# Altium PCB DRS4-PCB.PcbDoc (part 9 of 15) (continued)
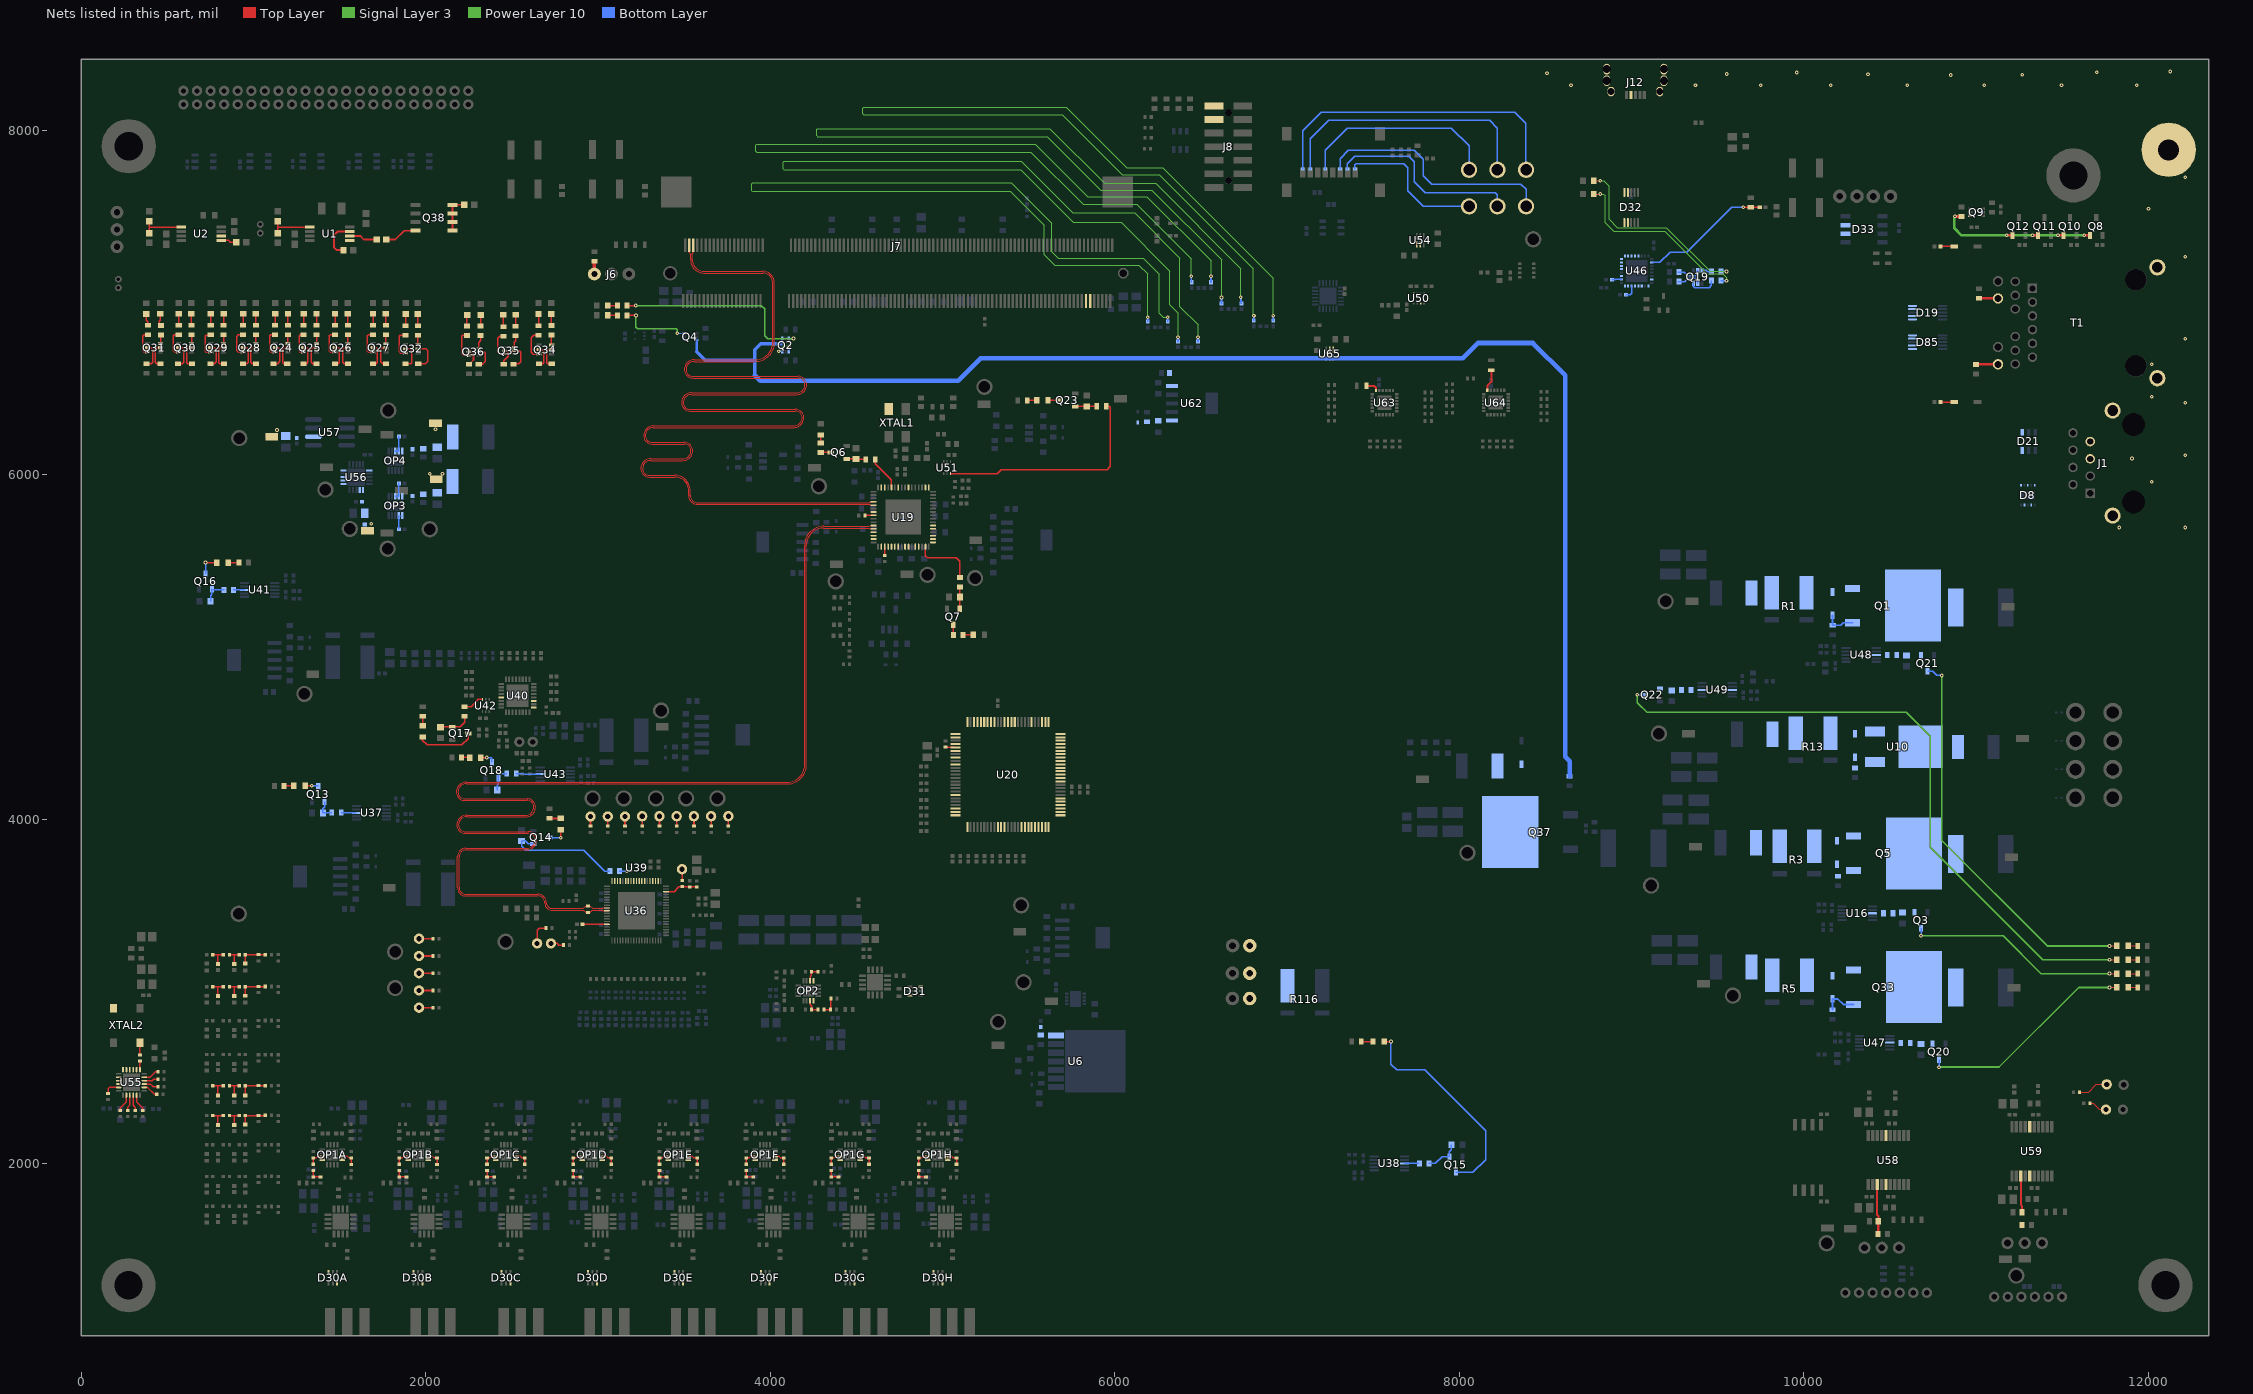
[diagram p19: the nets of this part, all layers, seen from the top]
## Nets (pads, with @x,y where several pads share a name; then routed paths per layer and width w, separated by ;. In a path a pad name is that pad's centre, name@x,y a point inside that pad or via, vN(x,y) a via of type N, cw(c..) or ccw(c..) an arc to the next point about the centre after c; other vN are vias at no path point) (continued)
NetQ24_3: Q24.3 R273.1 | length 49.2
  Top Layer w7.87: Q24.3@1199.41,6762.68 R273.1@1199.41,6811.89
NetQ24_5: Q24.5 R281.1 | length 156.9
  Top Layer w7.87: R281.1@1111.44,6644.57 R281.1@1115.32,6644.57 1138.86,6644.57 1151.66,6657.37 1151.66,6729.18 1143.75,6737.09 Q24.5@1124.62,6737.09 Q24.5@1115.33,6737.09
NetQ24_6: Q24.6 R274.1 | length 156.4
  Top Layer w7.87: Q24.6@1124.62,6711.5 1123.05,6709.92 1102.51,6709.92 1093.03,6719.4 1093.03,6805.33 1099.59,6811.89 R274.1@1124.61,6811.89
NetQ25_2: Q25.2 R286.2 | length 123.6
  Top Layer w7.87: Q25.2@1353.62,6737.09 1343.53,6737.09 1333.53,6727.08 1333.53,6653.64 1342.6,6644.57 R286.2@1355.67,6644.57
NetQ25_3: Q25.3 R275.1 | length 49.2
  Top Layer w7.87: Q25.3@1364.96,6762.68 R275.1@1364.96,6811.89
NetQ25_5: Q25.5 R282.1 | length 157.4
  Top Layer w7.87: R282.1@1276.99,6644.57 R282.1@1289.65,6644.57 1308.53,6644.57 1315.59,6651.63 1315.59,6729.75 1308.26,6737.09 Q25.5@1290.17,6737.09 Q25.5@1280.88,6737.09
NetQ25_6: Q25.6 R276.1 | length 148
  Top Layer w7.87: Q25.6@1290.17,6711.5 1268.69,6711.5 1263.4,6716.79 1263.4,6807.14 1268.14,6811.89 R276.1@1290.16,6811.89
NetQ26_2: Q26.2 R287.2 | length 123.4
  Top Layer w7.87: Q26.2@1535.94,6737.09 1525.55,6737.09 1516.25,6727.79 1516.25,6653.32 1525.01,6644.57 R287.2@1538,6644.57
NetQ26_3: Q26.3 R277.1 | length 49.2
  Top Layer w7.87: Q26.3@1547.28,6762.68 R277.1@1547.28,6811.89
NetQ26_5: Q26.5 R283.1 | length 157.4
  Top Layer w7.87: R283.1@1459.31,6644.57 R283.1@1472.68,6644.57 1490.85,6644.57 1497.92,6651.63 1497.92,6729.75 1490.58,6737.09 Q26.5@1472.5,6737.09 Q26.5@1463.21,6737.09
NetQ26_6: Q26.6 R278.1 | length 157.1
  Top Layer w7.87: Q26.6@1472.5,6711.5 1447.15,6711.5 1440.34,6718.31 1440.34,6805.67 1446.56,6811.89 R278.1@1472.48,6811.89
NetQ27_2: Q27.2 R288.2 | length 120.9
  Top Layer w7.87: Q27.2@1756.49,6737.09 1746.94,6737.09 1737.23,6727.38 1737.23,6655.61 1748.28,6644.57 R288.2@1758.54,6644.57
NetQ27_3: Q27.3 R279.1 | length 49.2
  Top Layer w7.87: Q27.3@1767.83,6762.68 R279.1@1767.83,6811.9
NetQ27_5: Q27.5 R284.1 | length 157.4
  Top Layer w7.87: R284.1@1679.86,6644.57 R284.1@1693.67,6644.57 1711.4,6644.57 1718.46,6651.63 1718.46,6729.75 1711.13,6737.09 Q27.5@1693.04,6737.09 Q27.5@1683.75,6737.09
NetQ27_6: Q27.6 R280.1 | length 157.1
  Top Layer w7.87: Q27.6@1693.05,6711.51 1667.7,6711.51 1660.89,6718.32 1660.89,6805.68 1667.11,6811.9 R280.1@1693.03,6811.9
NetQ28_2: Q28.2 R301.2 | length 145.4
  Top Layer w7.87: Q28.2@1013.4,6737.09 990.89,6737.09 983.86,6730.06 983.86,6651.59 990.89,6644.57 R301.2@1013.39,6644.57 R301.2@1015.45,6644.57
NetQ28_3: Q28.3 R289.1 | length 49.2
  Top Layer w7.87: Q28.3@1013.39,6762.68 R289.1@1013.39,6811.89
NetQ28_5: Q28.5 R297.1 | length 148.4
  Top Layer w7.87: R297.1@934.7,6644.57 R297.1@938.58,6644.57 959.85,6644.57 968.99,6653.71 968.99,6731.16 963.06,6737.09 Q28.5@938.59,6737.09
NetQ28_6: Q28.6 R290.1 | length 162.7
  Top Layer w7.87: Q28.6@938.58,6711.5 912.77,6711.5 900.82,6723.44 900.82,6801.22 911.49,6811.89 R290.1@938.58,6811.89
NetQ29_2: Q29.2 R302.2 | length 145.2
  Top Layer w7.87: Q29.2@825.84,6737.09 803.34,6737.09 796.55,6730.3 796.55,6651.34 803.33,6644.57 R302.2@827.9,6644.57
NetQ29_3: Q29.3 R291.1 | length 49.2
  Top Layer w7.87: Q29.3@825.83,6762.68 R291.1@825.83,6811.89
NetQ29_5: Q29.5 R298.1 | length 140.3
  Top Layer w7.87: R298.1@750.52,6644.57 771.78,6644.57 781.99,6654.78 781.99,6728.14 773.04,6737.09 Q29.5@754.42,6737.09
NetQ29_6: Q29.6 R292.1 | length 157.5
  Top Layer w7.87: R292.1@751.02,6811.89 749.99,6810.85 724.56,6810.85 718.18,6804.47 718.18,6718.81 725.49,6711.5 Q29.6@751.04,6711.5
NetQ30_2: Q30.2 R303.2 | length 145
  Top Layer w7.87: Q30.2@639.66,6737.09 617.15,6737.09 610.64,6730.58 610.64,6651.07 617.15,6644.57 R303.2@641.71,6644.57
NetQ30_3: Q30.3 R293.1 | length 49.3
  Top Layer w7.87: Q30.3@639.67,6762.68 639.67,6776.93 639.77,6777.03 R293.1@639.77,6811.89
NetQ30_5: Q30.5 R299.1 | length 148.3
  Top Layer w7.87: R299.1@560.96,6644.57 586.11,6644.57 595.14,6653.6 595.14,6731.27 589.32,6737.09 Q30.5@564.85,6737.09
NetQ30_6: Q30.6 R294.1 | length 151.4
  Top Layer w7.87: Q30.6@564.85,6711.5 545.41,6711.5 534.44,6722.47 534.44,6805.9 540.43,6811.89 R294.1@564.97,6811.89
NetQ31_2: Q31.2 R304.2 | length 145.3
  Top Layer w7.87: Q31.2@459.41,6737.09 437.26,6737.09 428.25,6728.09 428.25,6652.67 436.36,6644.56 R304.2@459.86,6644.57
NetQ31_3: Q31.3 R295.1 | length 49.7
  Top Layer w7.87: Q31.3@459.41,6762.68 459.41,6809.21 R295.1@461.65,6811.46
NetQ31_5: Q31.5 R300.1 | length 145.4
  Top Layer w7.87: R300.1@378.64,6644.57 404.79,6644.56 413.33,6653.1 413.33,6727.61 403.84,6737.09 Q31.5@384.61,6737.09
NetQ31_6: Q31.6 R296.1 | length 149.3
  Top Layer w7.87: Q31.6@384.61,6711.5 365.94,6711.5 355.66,6721.79 355.66,6803.72 363.84,6811.91 R296.1@386.45,6811.91
NetQ32_2: Q32.2 R314.2 | length 183.3
  Top Layer w9.8: R314.2@1955.59,6644.57 1997.84,6644.57 2010.67,6657.4 2010.67,6721.22 2001.02,6730.87 Q32.2@1955.59,6730.87
NetQ32_3: Q32.3 R305.1 | length 53.6
  Top Layer w7.87: R305.1@1953.46,6809.23 1953.46,6758.58 Q32.3@1955.58,6756.46
NetQ32_5: Q32.5 R311.1 | length 150.6
  Top Layer w7.8: R311.1@1880.79,6644.57 1912.27,6644.57 1916.71,6649.01 1916.71,6722.38 1908.22,6730.87 Q32.5@1880.78,6730.87
NetQ32_6: Q32.6 R306.1 | length 167.1
  Top Layer w7.87: Q32.6@1880.79,6705.28 1879.75,6706.32 1855.12,6706.32 1844.83,6716.6 1844.83,6802.77 1851.3,6809.23 R306.1@1882.44,6809.23
NetQ34_2: Q34.2 R316.2 | length 131.4
  Top Layer w7.87: R316.2@2730.47,6644.57 2706.02,6644.57 2701.36,6649.23 2701.36,6716.34 2711.27,6726.26 Q34.2@2730.46,6726.26
NetQ34_3: Q34.3 R309.1 | length 60.2
  Top Layer w7.87: R309.1@2728.82,6811.41 2728.82,6753.48 Q34.3@2730.46,6751.85
NetQ34_5: Q34.5 R313.1 | length 131.5
  Top Layer w7.87: R313.1@2655.67,6644.57 2678.84,6644.57 2685.31,6651.04 2685.31,6716.59 2675.65,6726.26 Q34.5@2655.65,6726.26
NetQ34_6: Q34.6 R310.1 | length 178.9
  Top Layer w7.87: R310.1@2653.82,6808.94 2626,6808.94 2612.75,6795.69 2612.75,6710.2 2622.28,6700.66 Q34.6@2655.67,6700.66
NetQ35_2: Q35.2 R319.1 | length 145.9
  Top Layer w7.87: R319.1@2507.48,6644.63 2539.42,6644.63 2550.57,6655.78 2550.57,6711.98 2542.02,6720.53 Q35.2@2512.13,6720.53
NetQ35_3: Q35.3 R322.2 | length 70.7
  Top Layer w7.87: Q35.3@2512.13,6740.21 2512.13,6767.79 2521,6776.66 R322.2@2521,6807.23
NetQ35_5: Q35.5 R317.2 | length 106.9
  Top Layer w7.87: R317.2@2452.2,6644.93 2452.2,6661.57 2479.58,6688.95 2479.58,6712.7 2471.75,6720.53 Q35.5@2455.05,6720.53
NetQ35_6: Q35.6 R321.2 | length 160.9
  Top Layer w7.87: R321.2@2449.98,6803.99 2428.29,6803.99 2416.39,6792.09 2416.39,6713.67 2429.21,6700.84 Q35.6@2455.05,6700.84
NetQ36_2: Q36.2 R320.1 | length 107.5
  Top Layer w9.84: R320.1@2249.63,6639.25 2276.2,6665.81 2276.2,6705.88 2268.24,6713.85 Q36.2@2249.57,6713.85
NetQ36_3: Q36.3 R324.2 | length 177.5
  Top Layer w7.87: R324.2@2237.98,6808.34 2212.92,6808.34 2207.32,6802.75 2207.32,6705.09 2218.25,6694.16 Q36.3@2249.57,6694.16
NetQ36_5: Q36.5 R318.2 | length 119.5
  Top Layer w9.84: Q36.5@2306.66,6713.85 2335.61,6713.85 2343.88,6705.58 2343.88,6657.03 2329.77,6642.92 R318.2@2319.33,6642.92
NetQ36_6: Q36.6 R323.2 | length 80.7
  Top Layer w7.87: Q36.6@2306.66,6733.53 2306.15,6734.1 2306.15,6767.31 2319.68,6780.85 R323.2@2319.68,6808.34
NetQ38_1: Q38.1 R388.2 | length 218
  Top Layer w9.84: Q38.1@2155.01,7416.58 Q38.1@2155.01,7566.58 R388.2@2222.97,7566.58
NetQ38_2: Q38.2 R389.1 | length 190.7
  Top Layer w9.84: R389.1@1770.98,7365.31 1822.79,7365.31 1874.06,7416.58 Q38.2@1940.45,7416.58
NetR10_1: R10.1 R67.2 U6.7
NetR25_2: R25.2 U16.3
NetR31_2: R31.2 TP59.1 | length 76.1
  Top Layer w7.87: TP59.1@2725.88,3278.69 2761.83,3278.69 2770.91,3269.61 R31.2@2798.25,3269.61
NetR33_2: R33.2 TP60.1 | length 133.5
  Top Layer w7.87: TP60.1@2645.65,3278.69 2645.65,3355.2 2658.68,3368.23 R33.2@2697.2,3368.23
NetR35_2: R35.2 TP61.1 | length 56.5
  Top Layer w10: R35.2@3155.91,3959.25 TP61.1@3155.91,4015.77
NetR47_2: R47.2 U19.12 | length 199.7
  Top Layer w7.87: R47.2@4609.17,6087.32 4609.17,6063.46 4703.06,5969.57 U19.12@4703.06,5926.47
NetR48_2: R48.2 U19.47 | length 360
  Top Layer w7.87: U19.47@4899.91,5581.98 4899.91,5530.52 4912.8,5517.64 5080.03,5517.64 5099.68,5497.99 R48.2@5099.68,5402.65
NetR57_2: R57.2 TP62.1 | length 66.5
  Top Layer w9.8: TP62.1@3487.05,3709.76 3488.16,3708.65 R57.2@3488.16,3643.71
NetR58_2: R58.2 TP63.1 | length 57.9
  Top Layer w10: R58.2@3555.91,3959.25 TP63.1@3555.91,4017.18
NetR59_2: R59.2 TP97.1 | length 80.3
  Top Layer w10: TP97.1@1960.1,2906.08 R59.2@2040.42,2906.08
NetR60_2: R60.2 TP98.1 | length 57.9
  Top Layer w10: R60.2@3455.91,3959.25 TP98.1@3455.91,4017.18
NetR64_2: R64.2 T1.14 | length 109.9
  Top Layer w15.75: R64.2@11015.41,7025.02 T1.14@11125.35,7025.02
NetR65_2: R65.2 T1.16 | length 127.2
  Top Layer w15.75: R65.2@10999.02,6639.99 11000.24,6641.21 T1.16@11125.68,6641.21
NetR80_1: R80.1 U20.30 | length 58.8
  Top Layer w7.87: R80.1@5016.61,4419.76 5019.76,4416.61 U20.30@5074.09,4416.61
NetR99_2: R99.2 TP45.1 | length 175.9
  Top Layer w6: R99.2@11600.92,2414.92 11652.6,2414.92 11698.12,2460.44 TP45.1@11757.98,2460.44
NetR100_2: R100.2 TP46.1 | length 108.6
  Top Layer w6: R100.2@11659.92,2350.59 11679.91,2350.59 11714.57,2315.94 11752.03,2315.94 TP46.1@11753.57,2314.4
NetR101_2: R101.2 U63.24 | length 75.6
  Top Layer w11.81: R101.2@7460.76,6516.02 7504.14,6516.02 7515.94,6504.23 U63.24@7515.94,6488.66
NetR107_2: R107.2 U37.3 | length 88.6
  Bottom Layer w7.87: R107.2@1508.67,4037.84 1509.68,4036.82 U37.3@1596.9,4036.82
NetR108_2: R108.2 U36.72 | length 140.1
  Top Layer w7.87: R108.2@2910.43,3389.69 2910.8,3390.05 2959.88,3390.05 2959.99,3389.94 3050.17,3389.94 U36.72@3050.28,3390.05
NetR121_2: R121.2 U38.3 | length 86.8
  Bottom Layer w7.87: U38.3@7680.98,2001.3 R121.2@7767.77,2001.3
NetR122_2: R122.2 U39.3 | length 66.7
  Top Layer w7.87: v1(3167.59,3698.86) U39.3@3190.11,3698.86
  Bottom Layer w7.87: R122.2@3123.38,3698.86 v1(3167.59,3698.86)
NetR135_2: R135.2 U41.3 | length 64.3
  Bottom Layer w7.87: R135.2@883.09,5330.67 U41.3@947.41,5330.71
NetR150_2: R150.2 U42.3 | length 120.8
  Top Layer w7.87: R150.2@2224.92,4653.05 2262.78,4653.05 2304.81,4695.08 U42.3@2328.27,4695.08
NetR153_2: R153.2 U43.3 | length 142
  Bottom Layer w7.8: R153.2@2523.9,4265.29 R153.2@2524.86,4266.25 ; R153.2@2524.86,4264.89 2563.58,4264.89 2567.26,4261.21 U43.3@2663.94,4261.21
NetR156A_1: R156A.1 R157A.1 R159A.1 | length 78.7
  Top Layer w8.72: R159A.1@1346.81,1961.34 R157A.1@1346.81,1923.94 R156A.1@1388.16,1923.94
NetR156B_1: R156B.1 R157B.1 R159B.1 | length 78.8
  Top Layer w8.72: R159B.1@1845.55,1961.34 R157B.1@1845.55,1923.94 R156B.1@1886.9,1923.94
NetR156C_1: R156C.1 R157C.1 R159C.1 | length 78.8
  Top Layer w8.72: R159C.1@2355,1961.34 R157C.1@2355,1923.94 R156C.1@2396.35,1923.94
NetR156D_1: R156D.1 R157D.1 R159D.1 | length 78.8
  Top Layer w8.72: R159D.1@2855.16,1961.34 R157D.1@2855.16,1923.94 R156D.1@2896.51,1923.94
NetR156E_1: R156E.1 R157E.1 R159E.1 | length 78.8
  Top Layer w8.72: R159E.1@3355.63,1961.34 R157E.1@3355.63,1923.94 R156E.1@3396.98,1923.94
NetR156F_1: R156F.1 R157F.1 R159F.1 | length 78.8
  Top Layer w8.72: R159F.1@3859.13,1961.34 R157F.1@3859.13,1923.94 R156F.1@3900.48,1923.94
NetR156G_1: R156G.1 R157G.1 R159G.1 | length 78.8
  Top Layer w8.72: R159G.1@4353.94,1961.34 R157G.1@4353.94,1923.94 R156G.1@4395.29,1923.94
NetR156H_1: R156H.1 R157H.1 R159H.1 | length 78.8
  Top Layer w8.72: R159H.1@4861.46,1961.34 R157H.1@4861.46,1923.94 R156H.1@4902.81,1923.94
NetR163_2: R163.2 TP99.1 | length 57.9
  Top Layer w10: R163.2@3755.91,3959.25 TP99.1@3755.91,4017.18
NetR171_1: R171.1 R172.1 R174.1 | length 102.8
  Top Layer w8.72: R174.1@4311.69,2894.77 R172.1@4349.09,2894.77 4349.09,2920.55 4351.07,2922.53 R171.1@4351.07,2959.32
NetR173_1: R173.1 R369.1 | length 6006.5
  Signal Layer 3 w7.25: v1@6803.22,6929.48 6803.22,7196.18 6257.33,7742.07 6041.25,7742.07 5693.03,8090.29 4541.52,8090.29 4536.9,8094.9 4536.9,8128.54 4541.52,8133.15 5716.72,8133.15 6069.36,7780.51 6278.33,7780.51 6918.96,7139.89 v1(6918.96,6923.43)
  Bottom Layer w10: R369.1@6806.87,6893.37 v1@6806.87,6921.07 ; R173.1@6918.96,6895.39 v1(6918.96,6923.43)
  other v1: 6806.87,6923.43
NetR179_2: R179.2 TP100.1 | length 57.9
  Top Layer w10: R179.2@3355.91,3959.25 TP100.1@3355.91,4017.18
NetR191_1: R191.1 U46.30 | length 79.7
  Bottom Layer w7.87: R191.1@8966.13,7044.38 8991.36,7044.38 8999.53,7052.55 U46.30@8999.53,7095.47
NetR192_1: R192.1 U46.2 | length 57.6
  Bottom Layer w7.87: R192.1@8885.39,7131.12 8902.9,7131.12 8906.07,7134.29 8941.03,7134.29 U46.2@8941.46,7133.86
NetR193_1: R193.1 R194.1 U46.18 | length 759.9
  Top Layer w7.87: v1(9648.2,7553.18) R193.1@9691.51,7553.18 R194.1@9743.67,7553.18
  Bottom Layer w7.87: U46.18@9116.65,7232.28 9164.1,7232.28 9223.32,7291.5 9319.5,7291.5 9581.18,7553.18 v1(9648.2,7553.18)
NetR208_2: R208.2 U47.3
NetR209_2: R209.2 U48.3
NetR210_2: R210.2 U49.3
NetR215_2: R215.2 U51.3 | length 1315.5
  Top Layer w7.87: U51.3@5045.34,6006.51 5317.48,6006.51 5339.39,6028.42 5954.33,6028.42 5973.82,6047.91 5973.82,6390.16 5966.5,6397.47 R215.2@5949.25,6397.47
NetR217_2: R217.2 TP64.1 | length 56.5
  Top Layer w10: R217.2@2955.91,3959.25 TP64.1@2955.91,4015.77
NetR218_2: R218.2 TP65.1 | length 56.5
  Top Layer w10: R218.2@3055.91,3959.25 TP65.1@3055.91,4015.77
NetR221_1: R221.1 XTAL2.3 | length 70.8
  Top Layer w7.87: R221.1@339.98,2631.62 XTAL2.3@339.98,2702.44
NetR221_2: R221.2 U55.7 | length 50.1
  Top Layer w7.87: R221.2@339.98,2596.19 339.98,2546.25 U55.7@340.11,2546.12
NetR307_1: R307.1 TP66.1 | length 80.3
  Top Layer w10: TP66.1@1960.1,3306.08 R307.1@2040.42,3306.08
NetR308_2: R308.2 TP67.1 | length 80.3
  Top Layer w10: TP67.1@1960.1,3206.08 R308.2@2040.42,3206.08
NetR312_2: R312.2 TP101.1 | length 60.9
  Top Layer w10: TP101.1@3254.02,4015.3 cw(c3255.91,4015.3) TP101.1@3255.91,4017.18 R312.2@3255.91,3959.25
NetR315_2: R315.2 TP102.1 | length 57.9
  Top Layer w7.87: R315.2@3655.91,3959.25 TP102.1@3655.91,4017.18
NetR329_2: R329.2 R330.2 U58.13 | length 289.3
  Top Layer w11.81: U58.13@10425.51,1878.66 10425.51,1702.95 10432.54,1695.93 10432.54,1666.79 R330.2@10431.61,1665.87 10431.61,1594.02 R329.2@10430.63,1593.03
NetR331_2: R331.2 R332.2 U59.13 | length 214.4
  Top Layer w11.81: U59.13@11259.37,1928.66 11259.37,1761.33 11265.7,1755.01 11265.7,1717.24 R332.2@11265.47,1717.02
NetR343_2: R343.2 TP57.1 | length 80.3
  Top Layer w10: TP57.1@1960.1,3106.08 R343.2@2040.42,3106.08
NetR344_2: R344.2 TP58.1 | length 80.3
  Top Layer w10: TP58.1@1960.1,3006.08 R344.2@2040.42,3006.08
NetR350_1: R350.1 U55.23 | length 97.8
  Top Layer w8.72: U55.23@320.43,2398.48 320.43,2360.18 356.79,2323.82 R350.1@356.79,2315.71
NetR351_1: R351.1 U55.22 | length 93.5
  Top Layer w8.72: U55.22@300.74,2398.48 300.74,2338.93 313.32,2326.36 R351.1@313.32,2310.16
NetR352_1: R352.1 U55.21 | length 93
  Top Layer w8.72: R352.1@269.84,2310.16 269.84,2328.99 281.06,2340.21 U55.21@281.06,2398.48
NetR353_1: R353.1 U55.20 | length 97.8
  Top Layer w8.72: R353.1@226.37,2315.22 226.37,2325.02 261.37,2360.03 U55.20@261.37,2398.48
NetR354_1: R354.1 U55.17 | length 92.7
  Top Layer w8.72: R354.1@154.77,2407.82 154.77,2434.94 162.61,2442.78 U55.17@217.08,2442.78
NetR355_1: R355.1 U55.5 | length 93.8
  Top Layer w8.72: U55.5@364.72,2501.83 398.17,2501.83 429.6,2533.26 R355.1@445.49,2533.26
NetR356_1: R356.1 U55.4 | length 83.9
  Top Layer w8.72: U55.4@364.72,2482.15 411.8,2482.15 419.44,2489.79 R356.1@445.49,2489.79
NetR357_1: R357.1 U55.3 | length 87.5
  Top Layer w8.72: U55.3@364.72,2462.46 400.77,2462.46 416.92,2446.31 R357.1@445.49,2446.31
NetR358_1: R358.1 U55.2 | length 89.2
  Top Layer w8.72: U55.2@364.72,2442.78 383.84,2442.78 423.77,2402.84 R358.1@437.4,2402.79
NetR359_2: R359.2 U64.24 | length 126.6
  Top Layer w11.81: U64.24@8162.4,6489.72 8162.4,6516.39 8185.65,6539.64 R359.2@8185.67,6606.69
NetR363_1: R363.1 R367.2 U1.1 | length 255.2
  Top Layer w7.87: R367.2@1138.93,7402.8 R363.1@1138.95,7472.32 ; 1140.17,7437.4 U1.1@1325.88,7437.4
NetR364_2: R364.2 U1.7 | length 235.6
  Top Layer w11.8: R364.2@1521.86,7303.27 1481.45,7303.27 1465.19,7319.53 1465.19,7389.6 1487.41,7411.81 U1.7@1558.17,7411.81
NetR365_2: R365.2 R368.2 U2.1 | length 255.2
  Top Layer w7.87: R368.2@393.36,7402.8 R365.2@393.36,7472.31 ; 394.58,7437.38 U2.1@580.3,7437.4
NetR366_2: R366.2 U2.5 | length 90.9
  Top Layer w9.84: U2.5@812.58,7360.63 854.28,7360.61 865.01,7349.88 R366.2@899.06,7349.88
NetR371_1: R371.1 R372.1 | length 5944.4
  Signal Layer 3 w7.25: v1(6618.92,7028.77) 6618.92,7247.57 6214.36,7652.12 5917.93,7652.12 5606.76,7963.3 4272.53,7963.3 4267.92,7967.91 4267.92,8004.51 4272.53,8009.12 5621.66,8009.12 5939.9,7690.89 6236.54,7690.89 6730.5,7196.93 v1(6730.5,7029.45)
  Bottom Layer w10: R372.1@6618.92,6994 v1(6618.92,7028.77) ; v1(6730.5,7029.45) 6732.58,7027.37 6732.58,6996.75 R371.1@6734.65,6994.68
NetR374_1: R374.1 R375.1 | length 6010.1
  Signal Layer 3 w7.25: v1(6442.49,7151.49) 6442.49,7254.06 6126.74,7569.81 5815.35,7569.81 5512.58,7872.58 3919.35,7872.58 3914.74,7877.19 3914.74,7914.18 3919.35,7918.79 5538.75,7918.79 5842.75,7614.79 6184.72,7614.79 6558.23,7241.28 v1(6558.23,7152.16)
  Bottom Layer w10: R375.1@6442.49,7116.71 v1(6442.49,7151.49) ; R374.1@6558.23,7117.4 v1(6558.23,7152.16)
NetR377_1: R377.1 R378.1 | length 6025.9
  Signal Layer 3 w7.25: v1(6366.68,6797.81) 6366.68,6938.03 6319.51,6985.21 6319.51,7182.47 6036.33,7465.65 5757.55,7465.65 5452.95,7770.25 4077.92,7770.25 4073.31,7774.86 4073.31,7814.25 4077.92,7818.86 5455.48,7818.86 5754.62,7519.72 6114.93,7519.72 6377.55,7257.1 6377.55,7099.95 6377.55,7098.48 6377.55,6974.93 6482.43,6870.04 v1(6482.43,6798.48)
  Bottom Layer w10: R378.1@6366.68,6772.9 v1(6366.68,6797.81) ; R377.1@6482.43,6773.58 v1(6482.43,6798.48)
NetR380_1: R380.1 R381.1 | length 5911.7
  Signal Layer 3 w7.25: v1(6191.06,6914.56) 6191.06,7165.44 6139.77,7216.73 5649.85,7216.73 5588.94,7277.64 5588.94,7448.63 5393.04,7644.52 3897.07,7644.52 3892.46,7649.14 3892.46,7689.88 3897.07,7694.49 5397.96,7694.49 5633.11,7459.34 5633.11,7293.18 5670.58,7255.72 6165.39,7255.72 6257.96,7163.14 6257.96,6937.68 6281.08,6914.56 v1(6306.8,6914.56)
  Bottom Layer w10: R381.1@6191.06,6888.98 v1(6191.06,6914.56) ; R380.1@6306.8,6888.98 v1(6306.8,6914.56) v1@6306.8,6915.7
NetR382_2: R382.2 TP40.1 | length 1177.5
  Bottom Layer w7.87: R382.2@7220.47,7774.43 7220.47,7882.87 7348.36,8010.76 7953.45,8010.76 8055.91,7908.3 TP40.1@8055.91,7770.07
NetR383_2: R383.2 TP41.1 | length 1566
  Bottom Layer w7.87: R383.2@7134.62,7774.43 7134.62,7950.77 7240.22,8056.37 8175.34,8056.37 8220.94,8010.76 TP41.1@8220.94,7770.07
NetR384_2: R384.2 TP51.1 | length 1857.3
  Bottom Layer w7.87: R384.2@7090.55,7774.43 7090.55,7995.86 7197.9,8103.21 8321.74,8103.21 8384.22,8040.73 8384.22,7772.89 TP51.1@8387.04,7770.07
NetR385_2: R385.2 TP52.1 | length 841.4
  Bottom Layer w7.87: R385.2@7393.61,7774.43 7393.61,7798.66 7401.22,7806.26 7676.72,7806.26 7700.9,7782.08 7700.9,7647.21 7789.06,7559.06 TP52.1@8026.25,7559.06
NetR386_2: R386.2 TP53.1 | length 1164.7
  Bottom Layer w7.87: R386.2@7350.21,7774.43 7350.21,7806.26 7391.24,7847.3 7707.35,7847.3 7738.26,7816.39 7738.26,7701.86 7801.89,7638.23 8208.55,7638.23 8220.94,7625.83 8220.94,7559.06 TP53.1@8207.14,7572.86
NetR387_2: R387.2 TP54.1 | length 1372.6
  Bottom Layer w7.87: R387.2@7307.09,7774.43 7307.09,7835.27 7354.68,7882.87 7739.04,7882.87 7791.45,7830.46 7791.45,7735.91 7840.79,7686.57 8356.93,7686.57 8387.04,7656.47 TP54.1@8387.04,7593.5
NetR389_2: R389.2 U1.6 | length 164.4
  Top Layer w9.84: U1.6@1558.17,7386.22 1619.27,7386.22 1640.18,7365.31 R389.2@1713.89,7365.31
NetU1_5: U1.5
NetU2_6: U2.6
NetU19_1: U19.1
NetU19_2: U19.2
NetU19_7: U19.7
NetU19_10: U19.10
NetU19_14: U19.14
NetU19_15: U19.15
NetU19_23: U19.23
NetU19_29: U19.29
NetU19_30: U19.30
NetU19_31: U19.31
NetU19_34: U19.34
NetU19_36: U19.36
NetU19_37: U19.37
NetU19_38: U19.38
NetU19_39: U19.39
NetU19_41: U19.41
NetU19_42: U19.42
NetU19_44: U19.44
NetU19_45: U19.45
NetU19_49: U19.49
NetU19_50: U19.50
NetU19_51: U19.51
NetU19_53: U19.53
NetU19_54: U19.54
NetU20_1: U20.1
NetU20_2: U20.2
NetU20_3: U20.3
NetU20_6: U20.6
NetU20_11: U20.11
NetU20_12: U20.12
NetU20_13: U20.13
NetU20_14: U20.14
NetU20_17: U20.17
NetU20_18: U20.18
NetU20_19: U20.19
NetU20_20: U20.20
NetU20_21: U20.21
NetU20_22: U20.22
NetU20_23: U20.23
NetU20_25: U20.25
NetU20_26: U20.26
NetU20_27: U20.27
NetU20_29: U20.29
NetU20_31: U20.31
NetU20_33: U20.33
NetU20_35: U20.35
NetU20_44: U20.44
NetU20_48: U20.48
NetU20_49: U20.49
NetU20_50: U20.50
NetU20_51: U20.51
NetU20_60: U20.60
NetU20_61: U20.61
NetU20_62: U20.62
NetU20_67: U20.67
NetU20_68: U20.68
NetU20_69: U20.69
NetU20_70: U20.70
NetU20_71: U20.71
NetU20_72: U20.72
NetU20_73: U20.73
NetU20_74: U20.74
NetU20_75: U20.75
NetU20_76: U20.76
NetU20_77: U20.77
NetU20_78: U20.78
NetU20_79: U20.79
NetU20_80: U20.80
NetU20_81: U20.81
NetU20_86: U20.86
NetU20_87: U20.87
NetU20_88: U20.88
NetU20_89: U20.89
NetU20_90: U20.90
NetU20_91: U20.91
NetU20_92: U20.92
NetU20_93: U20.93
NetU20_94: U20.94
NetU20_95: U20.95
NetU20_96: U20.96
NetU20_97: U20.97
NetU20_98: U20.98
NetU20_99: U20.99
NetU20_100: U20.100
NetU36_40: U36.40
NetU36_41: U36.41
NetU36_42: U36.42
NetU36_43: U36.43
NetU36_45: U36.45
NetU36_46: U36.46
NetU36_47: U36.47
NetU36_48: U36.48
NetU36_49: U36.49
NetU36_50: U36.50
NetU36_51: U36.51
NetU36_52: U36.52
NetU36_54: U36.54
NetU36_55: U36.55
NetU36_56: U36.56
NetU36_57: U36.57
NetU40_1: U40.1
NetU40_3: U40.3
NetU40_21: U40.21
NetU46_3: U46.3
NetU46_5: U46.5
NetU46_6: U46.6
NetU46_7: U46.7
NetU46_8: U46.8
NetU46_9: U46.9
NetU46_10: U46.10
NetU46_11: U46.11
NetU46_12: U46.12
NetU46_13: U46.13
NetU46_23: U46.23
NetU46_25: U46.25
NetU46_27: U46.27
NetU46_28: U46.28
NetU46_29: U46.29
NetU46_31: U46.31
NetU46_32: U46.32
NetU49_8: U49.8
NetU50_2: U50.2
NetU50_7: U50.7
NetU50_8: U50.8
NetU50_12: U50.12
NetU54_4: U54.4
NetU54_5: U54.5
NetU55_8: U55.8
NetU55_9: U55.9
NetU55_10: U55.10
NetU55_11: U55.11
NetU55_12: U55.12
NetU55_14: U55.14
NetU55_15: U55.15
NetU55_16: U55.16
NetU56_6: U56.6
NetU56_7: U56.7
NetU56_8: U56.8
NetU56_10: U56.10
NetU56_16: U56.16
NetU58_6: U58.6
NetU58_15: U58.15
NetU59_6: U59.6
NetU59_15: U59.15
NetU65_4: U65.4
NetU65_5: U65.5
NetXTAL1_1: XTAL1.1
NetXTAL2_1: XTAL2.1
NEUTRAL: J1.9 J1.10 J12.6 pad.2@12117.8,7886.23 T1.S1 T1.S2
  other v1: 11830.87,5693.31 12213.82,5693.31 12019.41,5958.43 11904.17,6093.55 12213.82,6113.09 12213.82,6417.26 12019.41,6451.82 12019.41,6641.91 12213.82,6789.1 12213.82,7264.82 12000.26,7544.65 12213.82,7727.27 8648.37,8261.61 9369.97,8261.61 9749.41,8261.61 10155.68,8261.61 10599.56,8261.61 11046.51,8261.61 11495.29,8261.61 11931.69,8261.61 10852.54,8320.69 11267.82,8322.53 10372.33,8325.25 9552.76,8326.76 8509,8329.79 9958.76,8334.34 11699.37,8335.7 12126.68,8340.54
O-OFS: R57.1 R109.1 R110.1 U36.36 | length 190.2
  Top Layer w7.87: U36.36@3394.77,3579.03 3441.1,3579.03 3469.3,3607.23 R110.1@3531.64,3607.23 3572.31,3607.23 R109.1@3572.98,3606.55
OUT0: R50.2 U19.24 | length 51.4
  Top Layer w8.72: R50.2@4548.43,5763.78 4599.43,5763.78 U19.24@4599.71,5764.06
OUT0A_N: J7.6 U19.20 | length 6984.9
  Top Layer w5: 3540.93,6465.46 ccw(c3540.93,6418.52) 3494,6418.52 ccw(c3532.87,6418.52) 3532.87,6379.65 4145.34,6379.65 cw(c4145.34,6330.77) 4194.21,6330.77 cw(c4137.28,6330.77) 4137.28,6273.84 3321.19,6273.84 ccw(c3321.19,6226.9) 3274.26,6226.9 ccw(c3313.13,6226.9) 3313.13,6188.02 3500.02,6188.02 cw(c3500.02,6139.15) 3548.9,6139.15 cw(c3491.96,6139.15) 3491.96,6082.21 3305.07,6082.21 ccw(c3305.07,6035.27) 3258.13,6035.27 ccw(c3297.01,6035.27) 3297.01,5996.4 3445.7,5996.4 cw(c3445.7,5906.84) 3535.26,5906.84 3535.26,5879.29 ccw(c3576.59,5879.29) 3576.59,5837.96 4574.66,5837.96 4579.5,5842.81 U19.20@4599.71,5842.81 ; 3542.01,6465.46 4153.4,6465.46 ccw(c4153.4,6522.4) 4210.34,6522.4 ccw(c4161.46,6522.4) 4161.46,6571.28 3549.25,6571.27 ; 3548.99,6571.27 cw(c3548.99,6610.15) 3510.12,6610.15 cw(c3557.05,6610.15) 3557.05,6657.09 3913.35,6657.09 ccw(c3913.35,6767.09) 4023.35,6767.09 4023.35,7112.45 ccw(c3955,7112.45) 3955,7180.79 3613.98,7180.79 cw(c3613.98,7248.43) 3546.34,7248.43 3546.34,7281.98 3553.15,7288.79 J7.6@3553.15,7330.79
OUT0A_P: J7.4 U19.21 | length 7000.7
  Top Layer w5: J7.4@3529.53,7330.79 3529.53,7288.79 3536.34,7281.98 3536.34,7248.43 ccw(c3613.98,7248.43) 3613.98,7170.79 3955,7170.79 cw(c3955,7112.45) 4013.35,7112.45 4013.35,6767.09 cw(c3913.35,6767.09) 3913.35,6667.09 3557.05,6667.09 ccw(c3557.05,6610.15) 3500.12,6610.15 ccw(c3548.99,6610.15) 3548.99,6561.27 ; 3540.93,6475.46 ccw(c3540.93,6418.52) 3484,6418.52 ccw(c3532.87,6418.52) 3532.87,6369.65 4145.34,6369.65 cw(c4145.34,6330.77) 4184.21,6330.77 cw(c4137.28,6330.77) 4137.28,6283.84 3321.19,6283.84 ccw(c3321.19,6226.9) 3264.26,6226.9 ccw(c3313.13,6226.9) 3313.13,6178.02 3500.02,6178.02 cw(c3500.02,6139.15) 3538.9,6139.15 cw(c3491.96,6139.15) 3491.96,6092.21 3305.07,6092.21 ccw(c3305.07,6035.27) 3248.13,6035.27 ccw(c3297.01,6035.27) 3297.01,5986.4 3445.7,5986.4 cw(c3445.7,5906.84) 3525.26,5906.84 3525.26,5879.29 ccw(c3576.59,5879.29) 3576.59,5827.96 4574.66,5827.96 4579.5,5823.12 U19.21@4599.71,5823.12 ; 3542.01,6475.46 4153.4,6475.46 ccw(c4153.4,6522.4) 4200.34,6522.4 ccw(c4161.46,6522.4) 4161.46,6561.28 3549.25,6561.27
OUT1_N: R106.2 U19.27 U36.67 | length 7000.9
  Top Layer w5: 2227.95,3917.57 cw(c2227.95,3966.44) 2227.85,3917.57 ; 2587.02,3831.76 2231.98,3831.76 ccw(c2231.98,3782.88) 2183.1,3782.88 2183.1,3603.6 ccw(c2231.98,3603.6) 2231.98,3554.72 2650.7,3554.72 ; 2587.78,3831.76 ccw(c2587.02,3878.69) 2633.96,3878.69 ccw(c2595.08,3878.69) 2595.08,3917.57 ; 2594.54,3917.57 2227.85,3917.57 ; 2651.11,3554.72 cw(c2650.7,3515.85) 2689.57,3515.85 ccw(c2733.26,3515.85) 2733.26,3472.17 2827.73,3472.17 ; 2829.19,3472.17 2914.7,3472.17 2927.42,3459.45 R106.2@2940.75,3459.45 2954.07,3459.45 2966.29,3471.66 3027.19,3471.66 3030.07,3468.79 U36.67@3050.28,3468.79 ; U19.27@4599.71,5705.01 4579.5,5705.01 4574.66,5700.17 4308.84,5700.17 ccw(c4308.84,5590.17) 4198.84,5590.17 4198.84,4314.9 cw(c4098.95,4314.9) 4098.95,4215.01 4055.1,4215.01 2233.34,4215.01 ccw(c2233.34,4158.07) 2176.41,4158.07 ccw(c2225.28,4158.07) 2225.28,4109.19 2587.78,4109.19 cw(c2587.78,4070.32) 2626.66,4070.32 cw(c2579.72,4070.32) 2579.72,4023.38 2236.01,4023.38 ccw(c2236.01,3966.44) 2179.07,3966.44 ccw(c2227.95,3966.44) 2227.49,3917.57 ; 2227.49,3917.57 ccw(c2227.95,3966.44) 2227.85,3917.57 ; 2227.49,3917.57 2227.85,3917.57
OUT1_P: R106.1 U19.28 U36.66 | length 6973.8
  Top Layer w5: 2227.95,3927.57 cw(c2227.95,3966.44) 2189.07,3966.44 cw(c2236.01,3966.44) 2236.01,4013.38 2579.87,4013.38 ; 2228.13,3927.57 2594.54,3927.57 ; 2579.72,4013.38 ccw(c2579.72,4070.32) 2579.87,4013.38 ; 2581.66,4013.38 2579.87,4013.38 ; 2595.08,3927.57 cw(c2595.08,3878.69) 2643.96,3878.69 cw(c2587.02,3878.69) 2587.78,3821.76 2231.98,3821.76 ccw(c2231.98,3782.88) 2193.1,3782.88 2193.1,3603.6 ccw(c2231.98,3603.6) 2231.98,3564.72 2650.7,3564.72 cw(c2650.7,3515.85) 2699.57,3515.85 ccw(c2733.26,3515.85) 2733.26,3482.17 2914.7,3482.17 2927.42,3494.88 R106.1@2940.75,3494.88 2954.07,3494.88 2967.29,3481.66 3027.19,3481.66 3030.07,3484.54 U36.66@3050.28,3484.54 ; U19.28@4599.71,5685.32 4579.5,5685.32 4574.66,5690.17 4308.84,5690.17 ccw(c4308.84,5590.17) 4208.84,5590.17 4208.84,4314.9 cw(c4098.95,4314.9) 4098.95,4205.01 4055.1,4205.01 2233.34,4205.01 ccw(c2233.34,4158.07) 2186.41,4158.07 ccw(c2225.28,4158.07) 2225.28,4119.19 2587.78,4119.19 cw(c2587.78,4070.32) 2636.66,4070.32 cw(c2579.72,4070.32) 2579.87,4013.38
OUT3: R51.2 U19.35 | length 51.2
  Top Layer w8.72: R51.2@4663.7,5530.79 U19.35@4663.69,5581.98